# Altium PCB EVK-NORA-W40.PcbDoc (part 1 of 5) (continued)
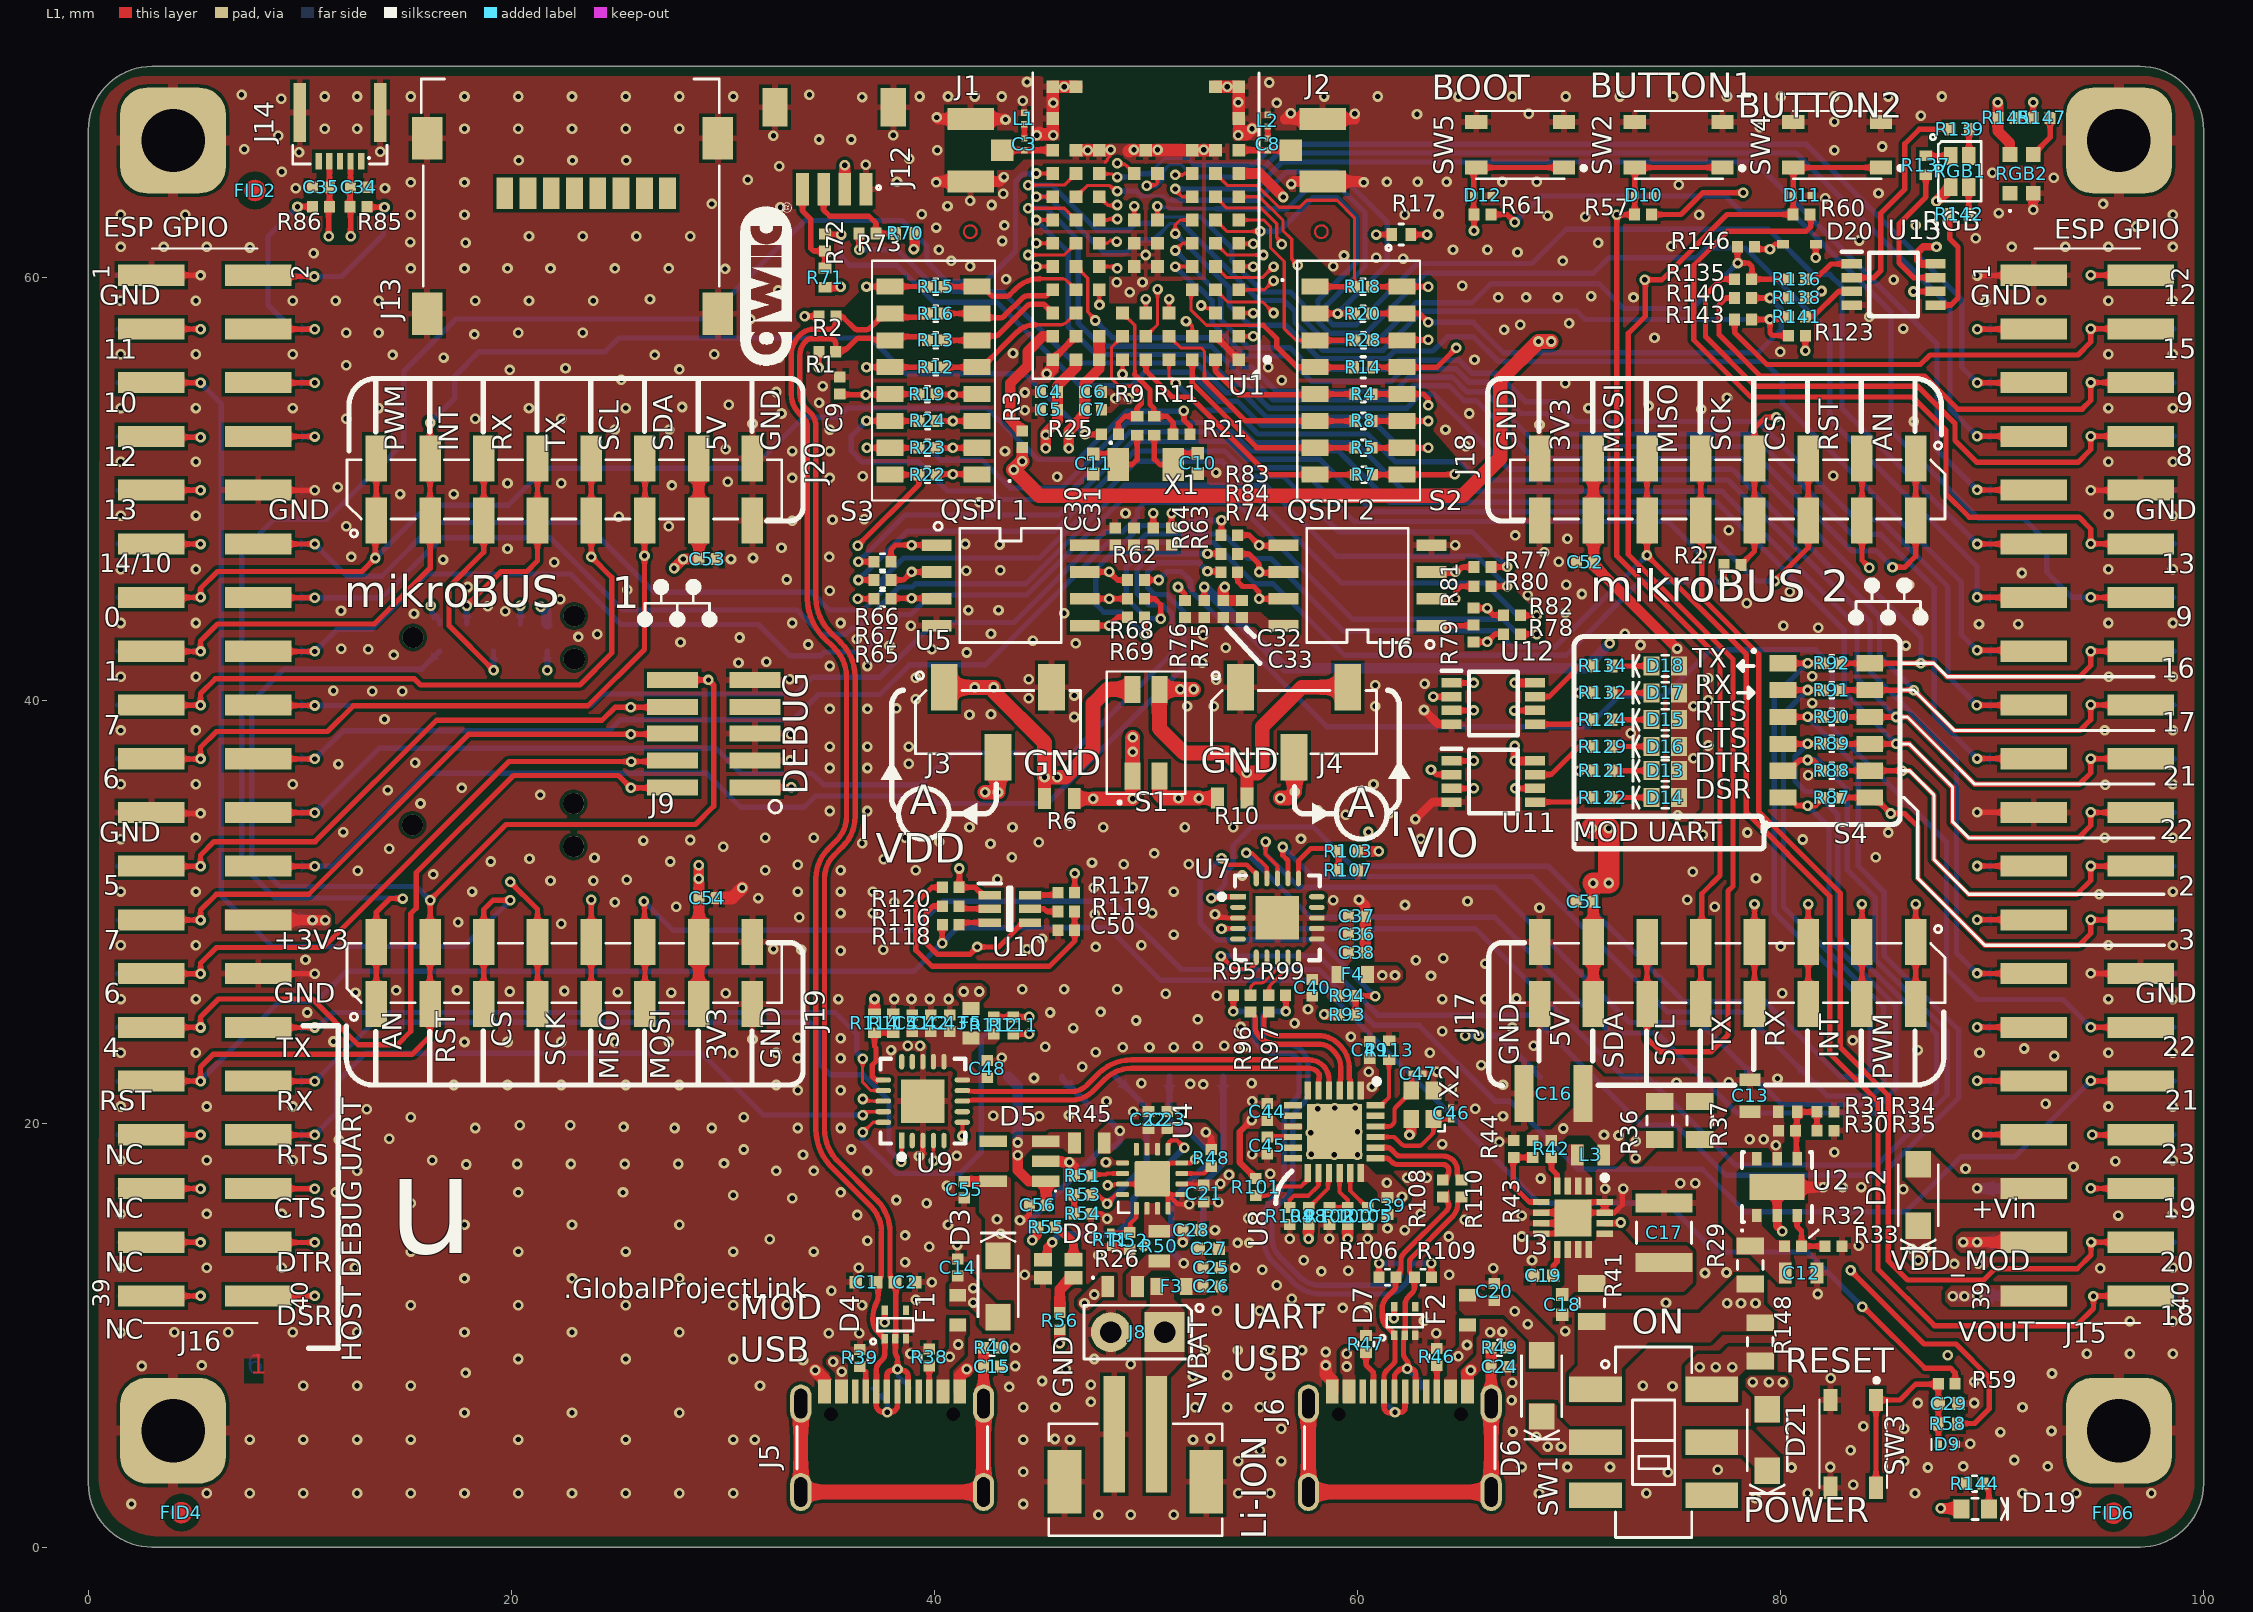
[diagram p0: L1 view]
## Components (designator, comment, footprint, x,y, rotation, side; value= is the part's Value field where it differs from the comment) (continued)
R29 "0R0" "RES 0805_2150Lx1400Wx650H_800x1300Pad_1000G_FLX" 78.565,13.335 r90 top
R30 "UBXH18-00030020R" "RES 0402 HD"#2 80.315,19.685 r180 top value=0R
R31 "UBXH18-00001388K2" RES_0402_1100Lx600Wx400H_500x600Pad_400G_FLX#2 80.343,20.574 r180 top value=8K2
R32 "UBXH18-00030020R" "RES 0402 HD"#2 80.597,14.224 r180 top value=0R
R33 "UBXH18-00030020R" "RES 0402 HD"#1 82.502,14.224 r180 top value=0R
R34 "UBXH18-000006510K" "RES 0402 HD"#1 82.121,20.574 r180 top value=10K
R35 "UBXH18-000006510K" "RES 0402 HD"#1 82.121,19.685 r180 top value=10K
R36 "0R0" "RES 0805_2150Lx1400Wx650H_800x1300Pad_1000G_FLX" 74.295,20.168 r270 top
R37 "0R0" "RES 0805_2150Lx1400Wx650H_800x1300Pad_1000G_FLX" 76.175,20.168 r90 top
R38 "UBXH18-00080665K1" "RES 0402 HD"#1 39.751,8.966 r270 top value=5K1
R39 "UBXH18-00080665K1" "RES 0402 HD"#1 36.474,8.941 r270 top value=5K1
R40 "180-0002410k" "RES 0402 HD"#1 42.726,9.423 r0 top value=10k
R41 "0R0" "RES 0805_2150Lx1400Wx650H_800x1300Pad_1000G_FLX" 71.072,11.557 r90 top
R42 "UBXH18-0000005100K" "RES 0402 HD"#2 69.167,18.821 r90 top value=100K
R43 "UBXH18-00030020R" "RES 0402 HD"#2 68.278,18.821 r90 top value=0R
R44 "UBXH18-00030020R" "RES 0402 HD"#1 67.389,18.821 r270 top value=0R
R45 "UBXH18-00030010R" RES_0603_1700Lx950Wx600H_600x1000Pad_800G_FLX#2 47.32,19.101 r180 top value=0R
R46 "UBXH18-00080665K1" "RES 0402 HD"#1 63.754,8.992 r270 top value=5K1
R47 "UBXH18-00080665K1" "RES 0402 HD"#1 60.401,9.595 r270 top value=5K1
R48 "UBXH18-00081211M0" "RES 0402 HD"#2 53.086,18.39 r90 top value=1M0
R49 "180-0002410k" "RES 0402 HD"#1 66.716,9.415 r0 top value=10k
R50 "UBXH18-00030010R" RES_0603_1700Lx950Wx600H_600x1000Pad_800G_FLX#3 50.625,14.224 r270 top value=0R
R51 "UBXH18-000006510K" "RES 0402 HD"#1 47.015,17.551 r0 top value=10K
R52 "UBXH18-000006510K" "RES 0402 HD"#1 49.228,14.478 r90 top value=10K
R53 "UBXH18-00080491K0" "RES 0402 HD"#1 47.005,16.658 r0 top value=1K0
R54 "UBXH18-00080491K0" "RES 0402 HD"#1 47.006,15.754 r180 top value=1K0
R55 "UBXH18-0000269499R" "RES 0402 HD"#1 45.288,15.113 r180 top value=499R
R56 "UBXH18-0008033220R" "RES 0402 HD"#2 45.923,10.693 r270 top value=220R
R57 "UBXH18-00030020R" "RES 0402 HD"#1 73.508,63 r180 top value=0R
R58 "UBXH18-0008097100K" RES_0402_1100Lx600Wx400H_500x600Pad_400G_FLX#1 87.909,5.817 r0 top value=100K
R59 "UBXH18-00030020R" "RES 0402 HD"#1 87.859,7.722 r180 top value=0R
R60 "UBXH18-00030020R" "RES 0402 HD"#1 81.001,63 r180 top value=0R
R61 "UBXH18-00030020R" "RES 0402 HD"#1 65.913,63 r180 top value=0R
R62 "UBXH18-00030020R" "RES 0402 HD"#1 49.533,45.72 r0 top value=0R
R63 "UBXH18-00030020R" "RES 0402 HD"#1 51.209,47.777 r270 top value=0R
R64 "UBXH18-00030020R" "RES 0402 HD"#1 50.346,47.777 r270 top value=0R
R65 "UBXH18-00030020R" "RES 0402 HD"#1 37.544,44.831 r180 top value=0R
R66 "UBXH18-00030020R" "RES 0402 HD"#1 37.544,46.584 r0 top value=0R
R67 "UBXH18-00030020R" "RES 0402 HD"#1 37.544,45.72 r180 top value=0R
R68 "UBXH18-00030020R" "RES 0402 HD"#1 49.533,44.831 r180 top value=0R
R69 "UBXH18-00030020R" "RES 0402 HD"#1 49.533,43.967 r0 top value=0R
R70 "UBXH18-00080572K2" RES_0402_1100Lx600Wx400H_500x600Pad_400G_FLX#1 38.608,62.103 r0 top value=2K2
R71 "UBXH18-00080572K2" RES_0402_1100Lx600Wx400H_500x600Pad_400G_FLX#1 34.823,60.02 r270 top value=2K2
R72 "UBXH18-00030020R" "RES 0402 HD"#1 34.823,61.671 r90 top value=0R
R73 "UBXH18-00030020R" "RES 0402 HD"#1 36.83,62.103 r180 top value=0R
R74 "UBXH18-00030020R" "RES 0402 HD"#1 53.936,46.089 r180 top value=0R
R75 "UBXH18-00030020R" "RES 0402 HD"#1 52.759,44.343 r270 top value=0R
R76 "UBXH18-00030020R" "RES 0402 HD"#1 51.844,44.343 r270 top value=0R
R77 "UBXH18-00030020R" "RES 0402 HD"#1 65.903,46.338 r0 top value=0R
R78 "UBXH18-00030020R" "RES 0402 HD"#1 67.306,43.159 r180 top value=0R
R79 "UBXH18-00030020R" "RES 0402 HD"#1 65.484,43.193 r270 top value=0R
R80 "UBXH18-00030020R" "RES 0402 HD"#1 65.903,45.423 r0 top value=0R
R81 "UBXH18-00030020R" "RES 0402 HD"#1 65.484,43.993 r90 top value=0R
R82 "UBXH18-00030020R" "RES 0402 HD"#1 67.306,44.048 r180 top value=0R
R83 "UBXH18-00030020R" "RES 0402 HD"#1 53.936,47.841 r180 top value=0R
R84 "UBXH18-00030020R" "RES 0402 HD"#1 53.936,46.952 r0 top value=0R
R85 "UBXH18-00030020R" "RES 0402 HD"#1 12.773,63.367 r180 top value=0R
R86 "UBXH18-00030020R" "RES 0402 HD"#1 11.001,63.367 r180 top value=0R
R87 "UBXH18-00030020R" "RES 0402 HD"#1 82.423,35.433 r0 top value=0R
R88 "UBXH18-00030020R" "RES 0402 HD"#3 82.423,36.703 r0 top value=0R
R89 "UBXH18-00030020R" "RES 0402 HD"#1 82.423,37.973 r0 top value=0R
R90 "UBXH18-00030020R" "RES 0402 HD"#1 82.423,39.243 r0 top value=0R
R91 "UBXH18-00030020R" "RES 0402 HD"#1 82.423,40.513 r0 top value=0R
R92 "UBXH18-00030020R" "RES 0402 HD"#1 82.423,41.783 r0 top value=0R
R93 "UBXH18-00030020R" "RES 0402 HD"#1 59.515,25.171 r0 top value=0R
R94 "UBXH18-00030020R" "RES 0402 HD"#4 59.515,26.06 r0 top value=0R
R95 "UBXH18-00030020R" "RES 0402 HD"#1 54.539,26.092 r0 top value=0R
R96 "UBXH18-00030020R" "RES 0402 HD"#1 54.939,25.692 r90 top value=0R
R97 "UBXH18-00030020R" "RES 0402 HD"#1 55.803,25.692 r90 top value=0R
R98 "UBXH18-000006510K" "RES 0402 HD"#1 57.686,15.646 r270 top value=10K
R99 "UBXH18-00030020R" "RES 0402 HD"#1 56.203,26.092 r180 top value=0R
R100 "UBXH18-0000005100K" "RES 0402 HD"#1 59.538,15.646 r270 top value=100K
R101 "UBXH18-0000005100K" "RES 0402 HD"#1 55.197,17.018 r90 top value=100K
R102 "UBXH18-0000005100K" "RES 0402 HD"#1 58.674,15.646 r90 top value=100K
R103 "UBXH18-00080654K7" RES_0402_1100Lx600Wx400H_500x600Pad_400G_FLX#1 59.563,32.893 r0 top value=4K7
R104 "UBXH18-0000005100K" "RES 0402 HD"#1 56.797,15.646 r270 top value=100K
R105 "UBXH18-0000005100K" "RES 0402 HD"#1 60.477,15.646 r90 top value=100K
R106 "UBXH18-00030020R" "RES 0402 HD"#1 61.425,12.751 r0 top value=0R
R107 "UBXH18-000807310K" RES_0402_1100Lx600Wx400H_500x600Pad_400G_FLX#1 59.563,32.004 r0 top value=10K
R108 "UBXH18-00030020R" "RES 0402 HD"#1 64.027,16.947 r270 top value=0R
R109 "UBXH18-00030020R" "RES 0402 HD"#1 63.089,12.751 r180 top value=0R
R110 "UBXH18-00030020R" "RES 0402 HD"#1 64.916,16.947 r270 top value=0R
R111 "UBXH18-00030020R" "RES 0402 HD"#1 43.716,24.663 r90 top value=0R
R112 "UBXH18-00030020R" "RES 0402 HD"#4 42.802,24.663 r90 top value=0R
R113 "UBXH18-000013312K" RES_0402_1100Lx600Wx400H_500x600Pad_400G_FLX#1 61.496,23.495 r270 top value=12K
R114 "UBXH18-00080654K7" RES_0402_1100Lx600Wx400H_500x600Pad_400G_FLX#1 37.163,24.765 r90 top value=4K7
R115 "UBXH18-000807310K" RES_0402_1100Lx600Wx400H_500x600Pad_400G_FLX#1 38.052,24.765 r90 top value=10K
R116 "UBXH18-000006510K" "RES 0402 HD"#1 40.77,30.302 r0 top value=10K
R117 "UBXH18-00030020R" "RES 0402 HD"#1 46.231,30.937 r180 top value=0R
R118 "UBXH18-00030020R" "RES 0402 HD"#1 40.77,29.413 r180 top value=0R
R119 "UBXH18-00030020R" "RES 0402 HD"#1 46.231,30.048 r0 top value=0R
R120 "UBXH18-000006510K" "RES 0402 HD"#1 40.77,31.191 r0 top value=10K
R121 "UBXH18-0008041470R" RES_0402_1100Lx600Wx400H_500x600Pad_400G_FLX#1 71.6,36.703 r0 top value=470R
R122 "UBXH18-0008041470R" RES_0402_1100Lx600Wx400H_500x600Pad_400G_FLX#1 71.6,35.433 r0 top value=470R
R123 "UBXH18-00030020R" "RES 0402 HD"#1 80.772,57.277 r180 top value=0R
R124 "UBXH18-0008041470R" RES_0402_1100Lx600Wx400H_500x600Pad_400G_FLX#1 71.6,39.116 r0 top value=470R
R129 "UBXH18-0008041470R" RES_0402_1100Lx600Wx400H_500x600Pad_400G_FLX#1 71.6,37.846 r0 top value=470R
R132 "UBXH18-0008041470R" RES_0402_1100Lx600Wx400H_500x600Pad_400G_FLX#1 71.6,40.386 r0 top value=470R
R134 "UBXH18-0008041470R" RES_0402_1100Lx600Wx400H_500x600Pad_400G_FLX#1 71.6,41.656 r0 top value=470R
R135 "UBXH18-00030020R" "RES 0402 HD"#1 78.232,59.944 r180 top value=0R
R136 "UBXH18-00030020R" "RES 0402 HD"#1 80.772,59.944 r180 top value=0R
R137 "UBXH18-0008046750R" RES_0402_1100Lx600Wx400H_500x600Pad_400G_FLX#1 86.871,65.329 r90 top value=750R
R138 "UBXH18-00030020R" "RES 0402 HD"#1 80.772,59.055 r180 top value=0R
R139 "UBXH18-0008041470R" RES_0402_1100Lx600Wx400H_500x600Pad_400G_FLX#1 88.471,67.031 r0 top value=470R
R140 "UBXH18-00030020R" "RES 0402 HD"#1 78.232,59.055 r180 top value=0R
R141 "UBXH18-00030020R" "RES 0402 HD"#1 80.772,58.166 r180 top value=0R
R142 "UBXH18-0000216360R" RES_0402_1100Lx600Wx400H_500x600Pad_400G_FLX#1 88.446,63.017 r0 top value=360R
R143 "UBXH18-00030020R" "RES 0402 HD"#1 78.232,58.039 r180 top value=0R
R144 "UBXH18-0008033220R" "RES 0402 HD"#1 89.179,3 r0 top value=220R
R145 "UBXH18-000006510K" "RES 0402 HD"#1 90.678,67.564 r180 top value=10K
R146 "UBXH18-00030020R" "RES 0402 HD"#1 78.359,61.468 r180 top value=0R
R147 "UBXH18-00030020R" "RES 0402 HD"#1 92.348,67.564 r180 top value=0R
R148 "0R0" "RES 0805_2150Lx1400Wx650H_800x1300Pad_1000G_FLX" 79.045,9.703 r270 top
RGB1 "115-00026" LED_1616 88.478,65.036 r0 top
RGB2 "4684" 4684 91.398,64.923 r270 top
RT1 "Res Thermal" "RES 0201" 48.339,14.524 r270 top value=10K
S1 "218-2LPSTJ" 2182LPSTJ 50,38.5 r0 top
S2 "218-8LPSTJ" 2188LPSTJ 60.048,55.148 r270 top locked
S3 "218-8LPSTJ" 2188LPSTJ 39.952,55.148 r90 top locked
S4 "218-6LPSTJ" 2186LPSTJ 82.169,38.608 r270 top locked
SW1 "UBXH19-0000050" SW_Slide_DPDT_JS202011SCQN 74,4.953 r270 top value=JS202011SCQN
SW2 "PTS810SJK250SMTRLFS" PTS810SJG250SMTRLFS 75.184,66.294 r180 top
SW3 "PTS810SJK250SMTRLFS" PTS810SJG250SMTRLFS 83.439,4.877 r270 top
SW4 "PTS810SJK250SMTRLFS" PTS810SJG250SMTRLFS 82.677,66.294 r180 top
SW5 "PTS810SJK250SMTRLFS" PTS810SJG250SMTRLFS 67.691,66.294 r180 top
TP1 "TP" TP10R#1 43.489,22.231 r90 bottom
TP2 "TP" TP10R#1 37.084,7.493 r180 bottom
TP3 "TP" TP10R#1 38.862,7.493 r90 bottom
TP4 "TP" TP10R#1 61.214,7.493 r90 bottom
TP5 "TP" TP10R#1 62.992,7.493 r90 bottom
TP6 "TP" TP10R#1 46.029,22.231 r90 bottom
TP7 "TP" TP10R#1 53.649,22.231 r90 bottom
TP8 "TP" TP10R#1 51.109,22.231 r90 bottom
TP9 "TP" TP10R#1 48.569,22.231 r90 bottom
TP10 "TP" TP10R#1 13.61,55 r180 bottom
TP11 "TP" TP10R#1 16.15,55 r90 bottom
TP12 "TP" TP10R#1 21.23,55 r90 bottom
TP13 "TP" TP10R#1 18.69,55 r90 bottom
TP14 "TP" TP10R#1 26.31,55 r90 bottom
TP15 "TP" TP10R#1 23.77,55 r90 bottom
TP16 "TP" TP10R#1 31.39,55 r90 bottom
TP17 "TP" TP10R#1 28.85,55 r90 bottom
TP18 "TP" TP10R#1 68.61,55 r90 bottom
TP19 "TP" TP10R#1 71.15,55 r90 bottom
TP20 "TP" TP10R#1 78.77,55 r90 bottom
TP21 "TP" TP10R#1 73.69,55 r90 bottom
TP22 "TP" TP10R#1 76.23,55 r90 bottom
TP23 "TP" TP10R#1 81.31,55 r90 bottom
TP24 "TP" TP10R#1 83.85,55 r90 bottom
TP25 "TP" TP10R#1 86.39,55 r90 bottom
TP26 "TP" TP10R#1 71.15,22.231 r90 bottom
TP27 "TP" TP10R#1 78.77,22.231 r90 bottom
TP28 "TP" TP10R#1 68.61,22.231 r90 bottom
TP29 "TP" TP10R#1 76.23,22.231 r90 bottom
TP30 "TP" TP10R#1 73.69,22.231 r90 bottom
TP31 "TP" TP10R#1 81.31,22.231 r90 bottom
TP32 "TP" TP10R#1 18.69,22.231 r90 bottom
TP33 "TP" TP10R#1 23.77,22.231 r90 bottom
TP34 "TP" TP10R#1 13.61,22.231 r90 bottom
TP35 "TP" TP10R#1 21.23,22.231 r90 bottom
TP36 "TP" TP10R#1 40.949,22.231 r90 bottom
TP37 "TP" TP10R#1 31.39,22.231 r90 bottom
TP38 "TP" TP10R#1 56.189,22.231 r90 bottom
TP39 "TP" TP10R#1 86.39,22.231 r90 bottom
TP40 "TP" TP10R#1 16.15,22.231 r90 bottom
TP41 "TP" TP10R#1 26.31,22.231 r90 bottom
TP42 "TP" TP10R#1 83.85,22.231 r90 bottom
TP43 "TP" TP10R#1 28.85,22.231 r90 bottom
TP44 "TP" TP10R#1 58.729,22.231 r90 bottom
TP45 "TP" TP10R#1 98.6,60.13 r90 bottom
TP46 "TP" TP10R#1 90.4,57.59 r90 bottom
TP47 "TP" TP10R#1 98.6,57.59 r90 bottom
TP48 "TP" TP10R#1 90.4,60.13 r90 bottom
TP49 "TP" TP10R#1 90.4,55.05 r90 bottom
TP50 "TP" TP10R#1 98.6,55.05 r90 bottom
TP51 "TP" TP10R#1 90.4,52.51 r90 bottom
TP52 "TP" TP10R#2 98.6,52.51 r90 bottom
TP53 "TP" TP10R#1 90.4,49.97 r90 bottom
TP54 "TP" TP10R#1 90.4,47.43 r90 bottom
TP55 "TP" TP10R#2 98.6,47.43 r90 bottom
TP56 "TP" TP10R#1 98.6,49.97 r90 bottom
TP57 "TP" TP10R#3 90.4,44.878 r90 bottom
TP58 "TP" TP10R#1 98.6,44.89 r90 bottom
TP59 "TP" TP10R#1 90.4,42.35 r90 bottom
TP60 "TP" TP10R#2 98.6,42.35 r90 bottom
TP61 "TP" TP10R#1 90.4,39.81 r90 bottom
TP62 "TP" TP10R#4 98.6,39.842 r90 bottom
TP63 "TP" TP10R#5 90.4,37.246 r90 bottom
TP64 "TP" TP10R#2 98.6,37.27 r90 bottom
TP65 "TP" TP10R#2 98.6,34.73 r90 bottom
TP66 "TP" TP10R#1 90.4,32.19 r90 bottom
TP67 "TP" TP10R#1 98.6,32.19 r90 bottom
TP68 "TP" TP10R#1 90.4,34.73 r90 bottom
TP69 "TP" TP10R#1 90.4,29.65 r90 bottom
TP70 "TP" TP10R#6 98.6,29.592 r90 bottom
TP71 "TP" TP10R#1 90.4,27.11 r90 bottom
TP72 "TP" TP10R#7 90.4,24.565 r90 bottom
TP73 "TP" TP10R#8 98.6,24.536 r90 bottom
TP74 "TP" TP10R#9 98.6,27.174 r90 bottom
TP75 "TP" TP10R#1 90.4,22.03 r90 bottom
TP76 "TP" TP10R#10 98.6,22.098 r90 bottom
TP77 "TP" TP10R#1 90.4,19.49 r90 bottom
TP78 "TP" TP10R#1 98.6,19.49 r90 bottom
TP79 "TP" TP10R#1 90.4,16.95 r90 bottom
TP80 "TP" TP10R#11 98.6,16.942 r90 bottom
TP81 "TP" TP10R#12 90.4,14.44 r90 bottom
TP82 "TP" TP10R#13 98.6,14.366 r90 bottom
TP83 "TP" TP10R#1 90.4,11.87 r90 bottom
TP84 "TP" TP10R#14 98.575,11.895 r90 bottom
TP85 "TP" TP10R#1 9.6,60.13 r90 bottom
TP86 "TP" TP10R#15 1.4,57.556 r90 bottom
TP87 "TP" TP10R#16 9.6,57.585 r90 bottom
TP88 "TP" TP10R#1 1.4,34.73 r90 bottom
TP89 "TP" TP10R#1 1.4,55.05 r90 bottom
TP90 "TP" TP10R#1 9.6,55.05 r90 bottom
TP91 "TP" TP10R#1 1.4,52.51 r90 bottom
TP92 "TP" TP10R#17 9.6,52.513 r90 bottom
TP93 "TP" TP10R#1 1.4,49.97 r90 bottom
TP94 "TP" TP10R#1 1.4,47.43 r90 bottom
TP95 "TP" TP10R#18 9.6,47.447 r90 bottom
TP96 "TP" TP10R#19 9.6,49.901 r90 bottom
TP97 "TP" TP10R#1 1.4,44.89 r0 bottom
TP98 "TP" TP10R#1 9.6,44.89 r0 bottom
TP99 "TP" TP10R#1 1.4,42.35 r0 bottom
TP100 "TP" TP10R#20 9.6,42.316 r0 bottom
TP101 "TP" TP10R#21 1.4,39.855 r0 bottom
TP102 "TP" TP10R#1 9.6,39.81 r0 bottom
TP103 "TP" TP10R#22 1.4,37.27 r0 bottom
TP104 "TP" TP10R#1 9.6,37.27 r0 bottom
TP105 "TP" TP10R#1 9.6,34.73 r0 bottom
TP106 "TP" TP10R#22 1.4,32.19 r0 bottom
TP107 "TP" TP10R#23 9.6,32.156 r0 bottom
TP108 "TP" TP10R#24 1.4,60.126 r0 bottom
TP109 "TP" TP10R#1 1.4,29.65 r90 bottom
TP110 "TP" TP10R#1 9.6,29.65 r90 bottom
TP111 "TP" TP10R#25 1.4,27.11 r90 bottom
TP112 "TP" TP10R#5 1.4,24.546 r90 bottom
TP113 "TP" TP10R#1 9.6,24.57 r90 bottom
TP114 "TP" TP10R#1 9.6,27.11 r90 bottom
TP115 "TP" TP10R#1 1.4,22.03 r90 bottom
TP116 "TP" TP10R#1 9.6,22.03 r90 bottom
TP117 "TP" TP10R#1 1.4,19.49 r0 bottom
TP118 "TP" TP10R#1 9.6,19.49 r90 bottom
TP119 "TP" TP10R#1 1.4,16.95 r0 bottom
TP120 "TP" TP10R#1 9.6,16.95 r90 bottom
TP121 "TP" TP10R#1 1.4,14.41 r0 bottom
TP122 "TP" TP10R#1 9.6,14.41 r90 bottom
TP123 "TP" TP10R#22 1.4,11.895 r90 bottom
TP124 "TP" TP10R#1 9.6,11.87 r90 bottom
TP125 "TP" TP10R#1 21.828,7.493 r90 bottom
TP126 "TP" TP10R#1 20.05,7.493 r90 bottom
U1 "NORA-MODULE_ALT" NORA_LGA82R_1430X1040X180_ANT 49.99,61.64 r90 top locked value=NORA
U2 "NCP691MN33T2G" DFN-PSON.1P3X3-7pin_HS-7N 79.835,17.018 r90 top value=3.3V
U3 "TPS62131" QFN50P300X300X100-17N-D 70.188,15.559 r270 top
U4 "UBXH05-0000185" QFN0.5P3x3-16Pin_W-Pad 50.293,17.41 r90 top value=BQ24230RGTR
U5 "240-00017" SOIC-8W 43.6,45.466 r0 top
U6 "240-00017" SOIC-8W 60,45.466 r180 top
U7 "FT231XQ-R" QFN_5x5_FT231XQ#1 56.213,29.743 r0 top
U8 "USB2422-I_MJ" QFN50P400X400X100-25N-D 58.903,19.634 r270 top
U9 "FT231XQ-R" QFN_5x5_FT231XQ#2 39.449,21.082 r90 top
U10 "BC847BDW1T1G" SOT65P210X110-6N 43.564,30.175 r0 top
U11 "74LVC3G07DP,125" SOP65P400X110-8N 66.421,36.195 r0 top
U12 "74LVC3G07DP,125" SOP65P400X110-8N 66.421,39.878 r0 top
U13 "74LVC3G07DP,125" SOP65P400X110-8N 85.344,59.69 r0 top
X1 "100-00005" XTAL_3215 49.985,51.181 r0 top
X2 "UBXH21-0000066" XTAL_2016_HD 63.068,20.904 r90 top value=24.000MHZ

## Footprints (in the part's own frame and the unit in brackets; to place one, negate y for a bottom-side part, rotate by r counter-clockwise, add the part's x,y. Pads: shape width x height; smd on the part's side, far side on the other; paste and mask are expansions set on the pad)
2182LPSTJ [mm]
  rect 0.76x1.27 smd: 1(-0.635,-2.05) 2(0.635,-2.05) 3(0.635,2.05) 4(-0.635,2.05)
  silkscreen extent -1.86,-3.35 1.86,2.9, body extent -1.87,-4.35 1.84,4.09, height 1.4
2186LPSTJ [mm]
  rect 0.76x1.27 smd: 1(-3.175,-2.05) 2(-1.905,-2.05) 3(-0.635,-2.05) 4(0.635,-2.05) 5(1.905,-2.05) 6(3.175,-2.05) 7(3.175,2.05) 8(1.905,2.05) 9(0.635,2.05) 10(-0.635,2.05) 12(-3.175,2.05)
  rect 0.76x1.27 smd paste+0: 11(-1.905,2.05)
  silkscreen extent -4.4,-3.48 4.4,2.9, body extent -4.4,-3.25 4.4,3.25, height 2.78
2188LPSTJ [mm]
  rect 0.76x1.27 smd: 1(-4.445,-2.05) 2(-3.175,-2.05) 3(-1.905,-2.05) 4(-0.635,-2.05) 5(0.635,-2.05) 6(1.905,-2.05) 7(3.175,-2.05) 8(4.445,-2.05) 9(4.445,2.05) 10(3.175,2.05) 11(1.905,2.05) 12(0.635,2.05) 13(-0.635,2.05) 14(-1.905,2.05) 15(-3.175,2.05) 16(-4.445,2.05)
  silkscreen extent -5.67,-3.65 5.67,2.9, body extent -5.67,-3.02 5.67,3.02, height 1.77
4684 [mm]
  rect 0.7x0.7 smd: 1(0.915,-0.55) 2(0.915,0.55) 3(-0.915,0.55) 4(-0.915,-0.55)
  silkscreen extent 1.7,-0.6 1.8,-0.5, body extent -1.1,-1 1.1,1, height 0.84
"AVX/Kyocera - 046284005001846" [mm] "FPC 0.50mm Pitch, 5Pin, R/A"
  rect 0.3x0.8 smd mask+0.05: 1(-1,2.3) 2(-0.5,2.3) 3(0,2.3) 4(0.5,2.3) 5(1,2.3)
  rect 0.6x2.8 smd mask+0.05: MP(-1.9,0) MP(1.9,0)
  silkscreen extent -2.22,1.55 2.22,2.42, body extent -2.2,-1.42 2.2,2.63, height 1.51
B2B-PH-SM4-TB [mm] "Connector Header Surface Mount, Vertical, 2 position 0.079\" (2.00mm)"
  rect 1x5.5 smd: 1(1,0)
  rect 1x5.5 smd mask+0: 2(-1,0)
  rect 1.6x3 smd: MH1(-3.35,2.25) MH1(3.35,2.25)
  silkscreen extent -4.1,-0.5 4.1,4.8, body extent -3.98,-2.3 3.98,4.7, height 6.61
"Cap 0201 HD" [mm] "Chip Capacitor, 2-Leads, Body 0.60x0.30mm, IPC High Density"
  rect 0.3x0.3 smd: 1(-0.275,0) 2(0.275,0)
  body extent -0.32,-0.17 0.32,0.17, height 0.33
"Cap 0402 HD"#1 [mm] "Chip Capacitor, 2-Leads, Body 1.00x0.50mm, IPC High Density"
  rect 0.52x0.55 smd: 1(-0.4,0) 2(0.4,0)
  body extent -0.55,-0.3 0.55,0.3, height 0.6
"Cap 0402 HD"#2 [mm] "Chip Capacitor, 2-Leads, Body 1.00x0.50mm, IPC High Density"
  rect 0.52x0.55 smd: 1(-0.4,0)
  rect 0.52x0.55 smd mask+0: 2(0.4,0)
  body extent -0.55,-0.3 0.55,0.3, height 0.6
"Cap 0402 HD"#3 [mm] "Chip Capacitor, 2-Leads, Body 1.00x0.50mm, IPC High Density"
  rect 0.52x0.55 smd mask+0: 1(-0.4,0)
  rect 0.52x0.55 smd: 2(0.4,0)
  body extent -0.55,-0.3 0.55,0.3, height 0.6
Cap_0402_1100Lx600Wx600H_600x600Pad_350G_FLX#1 [mm] "Chip Capacitor, 2-Leads, 0402, Tolerance +/-0.1mm, Body max. 1.10x0.60mm, Approved by Flex (Cadence Library compatible)"
  rect 0.6x0.6 smd: 1(-0.475,0) 2(0.475,0)
  body extent -0.55,-0.3 0.55,0.3, height 0.6
Cap_0402_1100Lx600Wx600H_600x600Pad_350G_FLX#2 [mm] "Chip Capacitor, 2-Leads, 0402, Tolerance +/-0.1mm, Body max. 1.10x0.60mm, Approved by Flex (Cadence Library compatible)"
  rect 0.6x0.6 smd mask+0: 1(-0.475,0)
  rect 0.6x0.6 smd: 2(0.475,0)
  body extent -0.55,-0.3 0.55,0.3, height 0.6
Cap_0402_1100Lx600Wx600H_600x600Pad_350G_FLX#3 [mm] "Chip Capacitor, 2-Leads, 0402, Tolerance +/-0.1mm, Body max. 1.10x0.60mm, Approved by Flex (Cadence Library compatible)"
  rect 0.6x0.6 smd: 1(-0.475,0)
  rect 0.6x0.6 smd mask+0: 2(0.475,0)
  body extent -0.55,-0.3 0.55,0.3, height 0.6
CAP_0603_1750Lx950Wx850H_600x1000Pad_900G_FLX [mm] "Chip Cap 0603, 1.75mm x 9.5mm IPC High Density"
  rect 0.6x1 smd mask+0: 1(-0.75,0)
  rect 0.6x1 smd: 2(0.75,0)
  body extent -0.87,-0.48 0.87,0.47, height 0.85
CAP_1210_3400Lx2700Wx1350H_900x2700Pad_1900G_FLX [mm] "Capacitor, 1210, IPC Medium Density"
  rect 0.9x2.7 smd mask+0: 1(-1.4,0)
  rect 0.9x2.7 smd: 2(1.4,0)
  body extent -1.7,-1.35 1.7,1.35, height 1.35
DFN-PSON.1P3X3-7pin_HS-7N [mm] "PSON, 6-Leads, Body 3,00x3,00mm, Pitch 0,95mm, Thermal Pad 2,60x1,22mm, IPC Medium Density"
  rect 0.63x0.45 smd mask+0: 1(-1.34,0.95) 5(1.34,0) 6(1.34,0.95)
  rect 0.63x0.45 smd mask+0.05: 2(-1.34,0) 3(-1.34,-0.95) 4(1.34,-0.95)
  rect 1.22x2.6 smd mask+0.05: 7(0,0)
  silkscreen extent -2.1,-1.65 1.65,1.7, body extent -1.5,-1.5 1.5,1.5, height 1
FIDUCIAL40 [mm] "FIDUCIAL .040\" Center, 0.075\" Outer Dia"
  L1 circle w0.152: c0,0 r0.434
  L1 region: 0,-0.434 -0.166,-0.401 -0.307,-0.307 -0.401,-0.166 -0.434,0 -0.434,0 -0.401,0.166 -0.307,0.307 -0.166,0.401 0,0.434 0,0.434 0.166,0.401 0.307,0.307 0.401,0.166 0.434,0 0.434,0 0.401,-0.166 0.307,-0.307 0.166,-0.401 0,-0.434
  L1 pour cut-out: 0,-0.889 -0.34,-0.821 -0.629,-0.629 -0.821,-0.34 -0.889,0 -0.889,0 -0.821,0.34 -0.629,0.629 -0.34,0.821 0,0.889 0,0.889 0.34,0.821 0.629,0.629 0.821,0.34 0.889,0 0.889,0 0.821,-0.34 0.629,-0.629 0.34,-0.821 0,-0.889
HDR-0.1P-2PIN-TH [mil] "Header 0.1\" Pitch, 2 Pin, 2x1, Through Hole"
  rect 74x74 hole 40 mask+0: 1(0,-50)
  round 74 hole 40: 2(0,50)
  silkscreen extent -50,-122 52,100, body extent -50,-100 50,100, height 320
HDR-0.1P-3Pin-1Row-SMT [mm] "Header 0.1\" Pitch, 3 Pin, 3x1, Surface Mount"
  rect 1.27x2.2 smd: 1(-2.54,1.65) 2(0,-1.65) 3(2.54,1.65)
  silkscreen extent -3.9,-1.5 3.9,2.38, body extent -3.81,-2.54 3.81,2.54, height 9.93
HDR.050P-10Pin-2x5-SMT_Key [mm] "Header, 0.05\" Pitch, 10 Pin 2 x 5, Keyed, SMT, 6.35mm x 5.84mm"
  rect 0.76x2.4 smd: 1(-2.54,-1.95) 2(-2.54,1.95) 3(-1.27,-1.95) 4(-1.27,1.95) 5(0,-1.95) 6(0,1.95) 7(1.27,-1.95) 8(1.27,1.95) 9(2.54,-1.95) 10(2.54,1.95)
  silkscreen extent -3.75,-3.2 -3.15,-2.6, body extent -3.4,-2.9 3.4,2.9, height 5.96
IND_0201_630Lx330Wx330H_300x300Pad_250G_FLX [mm] "Chip Inductor 0201 HD, 2-Leads, Body 0.60x0.30mm, IPC Medium Density"
  rect 0.3x0.3 smd: 1(-0.275,0) 2(0.275,0)
  body extent -0.32,-0.17 0.32,0.17, height 0.33
IND_0603_1750Lx950Wx1050H_600x800Pad_800G_FLX#1 [mm] "Chip Inductor 0603, 2-Leads, Body 1.60x0.80mm, IPC High Density"
  rect 0.6x0.8 smd mask+0: 1(-0.7,0) 2(0.7,0)
  body extent -0.87,-0.48 0.87,0.48, height 1.05
IND_0603_1750Lx950Wx1050H_600x800Pad_800G_FLX#2 [mm] "Chip Inductor 0603, 2-Leads, Body 1.60x0.80mm, IPC High Density"
  rect 0.6x0.8 smd: 1(-0.7,0)
  rect 0.6x0.8 smd mask+0: 2(0.7,0)
  body extent -0.87,-0.48 0.87,0.48, height 1.05
IND_0603_1800Lx1000Wx1000H_600x1000Pad_650G_FLX [mm] "Chip Inductor 0603, 2-Leads, Body 1.60x0.80mm, IPC Taiyo Yudo"
  rect 0.6x1 smd mask+0: 1(-0.625,0) 2(0.625,0)
  body extent -0.87,-0.5 0.87,0.5, height 1
LED_0603_GREEN [mm] "Green 571nm LED Indication - Discrete 2V 0603 (1608 Metric)"
  rect 0.75x0.9 smd: 1(-0.65,0) 2(0.65,0)
  silkscreen extent -1.52,-0.5 0.15,0.5, body extent -0.85,-0.45 0.85,0.45, height 0.9
LED_0603_YELLOW [mm] "Yellow 588nm LED Indication - Discrete 2.1V 0603 (1608 Metric)"
  rect 0.75x0.9 smd: 1(-0.65,0) 2(0.65,0)
  silkscreen extent -1.52,-0.5 0.15,0.5, body extent -0.85,-0.45 0.85,0.45, height 0.9
LED_1616 [mm]
  rect 0.65x0.85 smd: 1(-0.425,0.725) 2(0.425,0.725) 3(0.425,-0.725) 4(-0.425,-0.725)
  silkscreen extent -1.4,-1.42 1.01,1.75, body extent -0.83,-0.83 0.83,0.83, height 0.4
LTSTC195KGJRKT [mm]
  rect 0.65x0.85 smd: 1(0.425,0.725) 2(-0.425,0.725) 3(0.425,-0.725) 4(-0.425,-0.725)
  silkscreen extent 0.38,1.6 0.47,1.7, body extent -0.75,-0.8 0.75,0.8, height 0.55
M208762042#1 [mm]
  rect 1x3.15 smd: 1(-24.13,-2.525) 2(-24.13,2.525) 3(-21.59,-2.525) 4(-21.59,2.525) 5(-19.05,-2.525) 6(-19.05,2.525) 7(-16.51,-2.525) 8(-16.51,2.525) 9(-13.97,-2.525) 10(-13.97,2.525) 11(-11.43,-2.525) 12(-11.43,2.525) 13(-8.89,-2.525) 14(-8.89,2.525) 15(-6.35,-2.525) 16(-6.35,2.525) 17(-3.81,-2.525) 18(-3.81,2.525) 19(-1.27,-2.525) 20(-1.27,2.525) 21(1.27,-2.525) 22(1.27,2.525) 23(3.81,-2.525) 24(3.81,2.525) 25(6.35,-2.525) 26(6.35,2.525) 27(8.89,-2.525) 28(8.89,2.525) 29(11.43,-2.525) 30(11.43,2.525) 31(13.97,-2.525) 32(13.97,2.525) 33(16.51,-2.525) 34(16.51,2.525) 36(19.05,2.525) 38(21.59,2.525) 40(24.13,2.525)
  rect 1x3.15 smd mask+0: 35(19.05,-2.525) 37(21.59,-2.525) 39(24.13,-2.525)
  silkscreen extent -25.4,-3 25.4,2.5, body extent -25.42,-3.52 25.38,3.68, height 9.61
M208762042#2 [mm]
  rect 1x3.15 smd: 1(-24.13,-2.525) 2(-24.13,2.525) 3(-21.59,-2.525) 4(-21.59,2.525) 5(-19.05,-2.525) 6(-19.05,2.525) 7(-16.51,-2.525) 8(-16.51,2.525) 9(-13.97,-2.525) 10(-13.97,2.525) 11(-11.43,-2.525) 12(-11.43,2.525) 13(-8.89,-2.525) 14(-8.89,2.525) 15(-6.35,-2.525) 16(-6.35,2.525) 17(-3.81,-2.525) 18(-3.81,2.525) 19(-1.27,-2.525) 20(-1.27,2.525) 21(1.27,-2.525) 22(1.27,2.525) 23(3.81,-2.525) 24(3.81,2.525) 25(6.35,-2.525) 27(8.89,-2.525) 28(8.89,2.525) 29(11.43,-2.525) 30(11.43,2.525) 31(13.97,-2.525) 32(13.97,2.525) 33(16.51,-2.525) 34(16.51,2.525) 35(19.05,-2.525) 36(19.05,2.525) 37(21.59,-2.525) 38(21.59,2.525) 39(24.13,-2.525) 40(24.13,2.525)
  rect 1x3.15 smd mask+0: 26(6.35,2.525)
  silkscreen extent -25.4,-3 25.4,2.5, body extent -25.42,-3.52 25.38,3.68, height 9.61
Micro_SD_SKT_SMT_RA [mm] "Micro SD Card socket, Surface Mount, Right Angle with 4 ground tabs 13.6mm x 14.5mm"
  rect 0.8x1.5 smd: 1(3.85,0) 2(2.75,0) 3(1.65,0) 4(0.55,0) 5(-0.55,0) 6(-1.65,0) 7(-2.75,0) 8(-3.85,0)
  rect 1.45x2 smd: 9(-6.23,5.7) 9(-6.23,-2.6) 9(7.52,-2.6) 9(7.52,5.7)
  silkscreen extent -6.3,-5.4 7.8,4.4, body extent -6.65,-5.2 7.95,9.3, height 1.87
NORA_LGA82R_1430X1040X180_ANT [mm] "NORA LGA, 82pin ,1.1mm Pitch, 14.3mm x 10.4mm"
  rect 0.6x0.6 smd: A1(-5.5,-4.4) A2(-5.5,-3.3) A3(-5.5,-2.2) A4(-5.5,-1.1) A5(-5.5,0) A6(-5.5,1.1) A7(-5.5,2.2) A8(-5.5,3.3) A9(-5.5,4.4) B1(-4.4,-4.4) B2(-4.4,-3.3) B3(-4.4,-2.2) B4(-4.4,-1.1) B5(-4.4,0) B6(-4.4,1.1) B7(-4.4,2.2) B8(-4.4,3.3) B9(-4.4,4.4) C1(-3.3,-4.4) C2(-3.3,-3.3) C4(-3.3,-1.1) C5(-3.3,0) C6(-3.3,1.1) C8(-3.3,3.3) C9(-3.3,4.4) D1(-2.2,-4.4) D2(-2.2,-3.3) D3(-2.2,-2.2) D7(-2.2,2.2) D8(-2.2,3.3) D9(-2.2,4.4) E1(-1.1,-4.4) E2(-1.1,-3.3) E3(-1.1,-2.2) E4(-1.1,-0.55) E5(-1.1,0.55) E7(-1.1,2.2) E8(-1.1,3.3) E9(-1.1,4.4) F1(0,-4.4) F2(0,-3.3) F3(0,-2.2) F4(0,-0.55) F5(0,0.55) F7(0,2.2) F8(0,3.3) F9(0,4.4) G1(1.1,-4.4) G2(1.1,-3.3) G3(1.1,-2.2) G4(1.1,-0.55) G5(1.1,0.55) G7(1.1,2.2) G8(1.1,3.3) G9(1.1,4.4) H1(2.2,-4.4) H2(2.2,-3.3) H3(2.2,-2.2) H7(2.2,2.2) H8(2.2,3.3) H9(2.2,4.4) J1(3.3,-4.4) J2(3.3,-3.3) J3(3.3,-2.2) J4(3.3,-0.55) J5(3.3,0.55) J7(3.3,2.2) J8(3.3,3.3) J9(3.3,4.4) K1(4.4,-4.4) K2(4.4,-3.3) K3(4.4,-2.2) K5(4.4,0) K7(4.4,2.2) K8(4.4,3.3) K9(4.4,4.4) L1(5.9,-4.4) L9(5.9,4.4) M1(7.4,-4.4) M2(7.4,-3.3) M8(7.4,3.3) M9(7.4,4.4)
  Multi-Layer pour cut-out: 7.1,-4.1 7.1,-3.001 7.9,-2.998 7.9,-5.225 8.25,-5.225 8.25,5.325 7.9,5.325 7.9,3 7.1,3 7.1,4.1 4.7,4.1 4.7,-4.1
  silkscreen extent -6.4,-5.85 8.05,5.35, body extent -6.25,-5.2 8.05,5.2, height 1.78
PTS810SJG250SMTRLFS [mm]
  rect 1.05x0.65 smd: 1(-2.075,1.075) 2(2.075,1.075) 3(-2.075,-1.075) 4(2.075,-1.075)
  silkscreen extent -3.1,-1.6 2.07,1.6, body extent -2.3,-1.6 2.3,1.6, height 2.7
QFN0.5P3x3-16Pin_W-Pad [mm] "Quad Flat No-Lead, 0.5mm Pitch, 16 Contact, Exposed Pad, 3mmX3mm"
  rrect50% 0.6x0.24 smd: 1(-1.4,0.75) 2(-1.4,0.25) 3(-1.4,-0.25) 4(-1.4,-0.75) 9(1.4,-0.75) 12(1.4,0.75)
  rrect50% 0.24x0.6 smd: 5(-0.75,-1.4) 7(0.25,-1.4) 8(0.75,-1.4) 13(0.75,1.4) 14(0.25,1.4) 15(-0.25,1.4) 16(-0.75,1.4)
  rrect50% 0.24x0.6 smd mask+0: 6(-0.25,-1.4)
  rrect50% 0.6x0.24 smd mask+0: 10(1.4,-0.25) 11(1.4,0.25)
  rrect10% 1.68x1.68 smd: EPAD(0,0)
  silkscreen extent -1.6,1.1 -1.1,1.6, body extent -1.52,-1.52 1.52,1.52, height 0.9
QFN50P300X300X100-17N-D [mm]
  rect 0.8x0.3 smd mask+0: 1(-1.5,0.75) 2(-1.5,0.25) 3(-1.5,-0.25) 10(1.5,-0.25) 11(1.5,0.25) 12(1.5,0.75)
  rect 0.8x0.3 smd: 4(-1.5,-0.75) 9(1.5,-0.75)
  rect 0.3x0.8 smd: 5(-0.75,-1.5) 14(0.25,1.5)
  rect 0.3x0.8 smd mask+0: 6(-0.25,-1.5) 7(0.25,-1.5) 8(0.75,-1.5) 13(0.75,1.5) 15(-0.25,1.5) 16(-0.75,1.5)
  rect 1.75x1.75 smd: 17(0,0)
  silkscreen extent -2.02,1.38 -1.78,1.63, body extent -1.5,-1.5 1.5,1.5, height 1
QFN50P400X400X100-25N-D [mm]
  rect 0.85x0.3 smd mask+0: 1(-1.95,1.25) 6(-1.95,-1.25) 18(1.95,1.25)
  rect 0.85x0.3 smd: 2(-1.95,0.75) 3(-1.95,0.25) 4(-1.95,-0.25) 5(-1.95,-0.75) 13(1.95,-1.25) 14(1.95,-0.75) 15(1.95,-0.25) 16(1.95,0.25) 17(1.95,0.75)
  rect 0.3x0.85 smd mask+0: 7(-1.25,-1.95) 9(-0.25,-1.95) 12(1.25,-1.95)
  rect 0.3x0.85 smd: 8(-0.75,-1.95) 10(0.25,-1.95) 11(0.75,-1.95) 19(1.25,1.95) 20(0.75,1.95) 21(0.25,1.95) 22(-0.25,1.95) 23(-0.75,1.95) 24(-1.25,1.95)
  rect 2.6x2.6 smd mask-0.5: 25(0,0)
  silkscreen extent -2.5,1.88 -2.25,2.13, body extent -2.05,-2.05 2.05,2.05, height 1
QFN_5x5_FT231XQ#1 [mm]
  rect 0.74x0.242 smd paste+0: 1(-1.866,1)
  rrect100% 0.74x0.242 smd paste+0: 2(-1.866,0.5) 4(-1.866,-0.5) 5(-1.866,-1) 14(1.866,0.5) 15(1.866,1)
  rrect100% 0.74x0.242 smd paste+0 mask+0: 3(-1.866,0) 11(1.866,-1) 12(1.866,-0.5) 13(1.866,0)
  rrect100% 0.242x0.74 smd paste+0: 6(-1,-1.866) 7(-0.5,-1.866) 8(0,-1.866) 9(0.5,-1.866) 16(1,1.866) 17(0.5,1.866) 18(0,1.866) 20(-1,1.866)
  rrect100% 0.242x0.74 smd paste+0 mask+0: 10(1,-1.866)
  rrect100% 0.242x0.74 smd: 19(-0.5,1.866)
  rect 2.05x2.05 smd paste-1000: 21(0,0)
  silkscreen extent -2.76,-2 2,2, body extent -2.34,-2.34 2.34,2.34, height 0.25
QFN_5x5_FT231XQ#2 [mm]
  rect 0.74x0.242 smd paste+0: 1(-1.866,1)
  rrect100% 0.74x0.242 smd paste+0: 2(-1.866,0.5) 4(-1.866,-0.5) 5(-1.866,-1) 14(1.866,0.5) 15(1.866,1)
  rrect100% 0.74x0.242 smd paste+0 mask+0: 3(-1.866,0) 11(1.866,-1) 12(1.866,-0.5) 13(1.866,0)
  rrect100% 0.242x0.74 smd paste+0: 6(-1,-1.866) 7(-0.5,-1.866) 8(0,-1.866) 9(0.5,-1.866) 16(1,1.866) 17(0.5,1.866) 18(0,1.866) 19(-0.5,1.866) 20(-1,1.866)
  rrect100% 0.242x0.74 smd paste+0 mask+0: 10(1,-1.866)
  rect 2.05x2.05 smd paste-1000: 21(0,0)
  silkscreen extent -2.76,-2 2,2, body extent -2.34,-2.34 2.34,2.34, height 0.25
"RES 0201" [mm]
  rect 0.45x0.35 smd mask+0.02: 1(-0.3,0) 2(0.3,0)
  body extent -0.32,-0.16 0.32,0.17, height 0.26
"RES 0402 HD"#1 [mm] "Chip Resistor, 2-Leads, Body 1.05x0.54mm, IPC High Density"
  rect 0.52x0.55 smd: 1(-0.4,0) 2(0.4,0)
  body extent -0.55,-0.3 0.55,0.3, height 0.4
"RES 0402 HD"#2 [mm] "Chip Resistor, 2-Leads, Body 1.05x0.54mm, IPC High Density"
  rect 0.52x0.55 smd: 1(-0.4,0)
  rect 0.52x0.55 smd mask+0: 2(0.4,0)
  body extent -0.55,-0.3 0.55,0.3, height 0.4
"RES 0402 HD"#3 [mm] "Chip Resistor, 2-Leads, Body 1.05x0.54mm, IPC High Density"
  rect 0.52x0.55 smd: 1(-0.4,0)
  rect 0.52x0.55 smd paste+0: 2(0.4,0)
  silkscreen extent -0.1,-0.38 0.1,0.38, body extent -0.55,-0.3 0.55,0.3, height 0.4
"RES 0402 HD"#4 [mm] "Chip Resistor, 2-Leads, Body 1.05x0.54mm, IPC High Density"
  rect 0.52x0.55 smd mask+0: 1(-0.4,0)
  rect 0.52x0.55 smd: 2(0.4,0)
  body extent -0.55,-0.3 0.55,0.3, height 0.4
"RES 0805_2150Lx1400Wx650H_800x1300Pad_1000G_FLX" [mm] "Resistor, 0805, IPC High Density"
  rect 0.8x1.3 smd mask+0: 1(-0.9,0) 2(0.9,0)
  silkscreen extent -0.2,-0.6 0.2,0.6, body extent -1.07,-0.7 1.07,0.7, height 0.65
RES_0402_1100Lx600Wx400H_500x600Pad_400G_FLX#1 [mm] "Chip Resistor, 2-Leads, Body 1.05x0.54mm, IPC High Density"
  rect 0.5x0.6 smd: 1(-0.45,0) 2(0.45,0)
  body extent -0.55,-0.3 0.55,0.3, height 0.4
RES_0402_1100Lx600Wx400H_500x600Pad_400G_FLX#2 [mm] "Chip Resistor, 2-Leads, Body 1.05x0.54mm, IPC High Density"
  rect 0.5x0.6 smd: 1(-0.45,0)
  rect 0.5x0.6 smd mask+0: 2(0.45,0)
  body extent -0.55,-0.3 0.55,0.3, height 0.4
RES_0603_1700Lx950Wx600H_600x1000Pad_800G_FLX#1 [mm] "Chip Cap 0603, 1.75mm x 9.5mm IPC High Density"
  rect 0.6x1 smd: 1(-0.7,0) 2(0.7,0)
  body extent -0.85,-0.48 0.85,0.47, height 0.6
RES_0603_1700Lx950Wx600H_600x1000Pad_800G_FLX#2 [mm] "Chip Cap 0603, 1.75mm x 9.5mm IPC High Density"
  rect 0.6x1 smd mask+0: 1(-0.7,0) 2(0.7,0)
  body extent -0.85,-0.48 0.85,0.47, height 0.6
RES_0603_1700Lx950Wx600H_600x1000Pad_800G_FLX#3 [mm] "Chip Cap 0603, 1.75mm x 9.5mm IPC High Density"
  rect 0.6x1 smd: 1(-0.7,0)
  rect 0.6x1 smd mask+0: 2(0.7,0)
  body extent -0.85,-0.48 0.85,0.47, height 0.6